# KiCad board data-center-rdimm-ddr4-tester.kicad_pcb (continued)
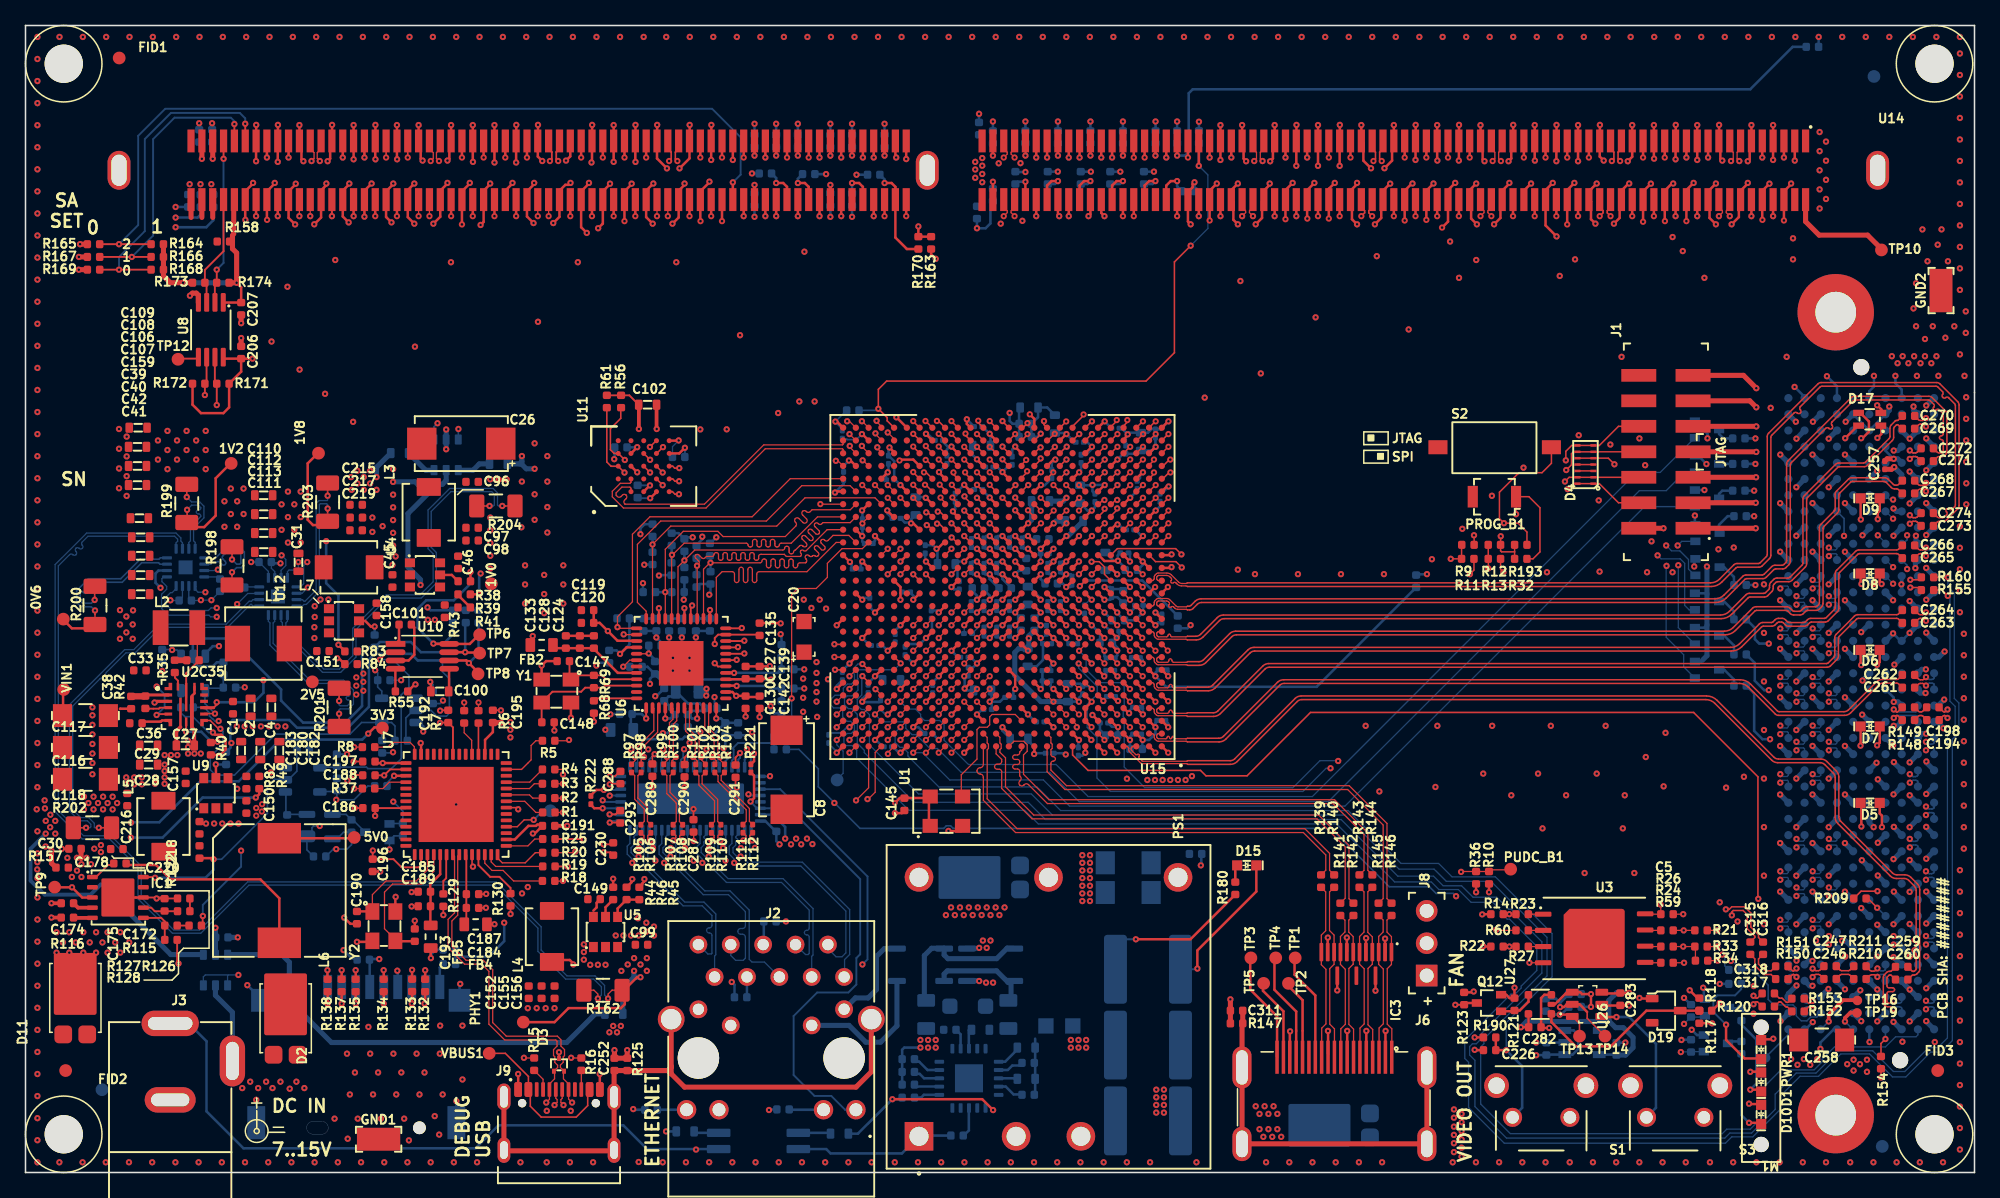
[diagram p0: board, top side]
## Library data of the parts (continued)
C112 = -: Author: Antmicro; License: Apache-2.0; MPN: 06031C103JAT2A; Manufacturer: AVX; Val: 10n; Field11: License: Apache-2.0; Field13: Author: Antmicro
C115 C137 = -: Author: Antmicro; License: Apache-2.0; MPN: GRM155R61A475MEAAD; Manufacturer: Murata; Val: 4u7; Field11: License: Apache-2.0; Field13: Author: Antmicro
C116 C228 = -: Author: Antmicro; License: Apache-2.0; MPN: C3216X5R1C476M160AB; Manufacturer: TDK; Val: 47u/16V; Field11: Author: Antmicro; Field12: License: Apache-2.0
C117 = -: Author: Antmicro; License: Apache-2.0; MPN: C3216X5R1C476M160AB; Manufacturer: TDK; Val: 47u/16V; Field11: License: Apache-2.0; Field13: Author: Antmicro
C118 = -: Author: Antmicro; License: Apache-2.0; MPN: C3216X5R1C476M160AB; Manufacturer: TDK; Val: 47u/16V; Field12: Author: Antmicro; Field13: License: Apache-2.0
C119 C123 C140 C187 C245 = -: Author: Antmicro; License: Apache-2.0; MPN: GRM155R61A475MEAAD; Manufacturer: Murata; Val: 4u7; Field11: License: Apache-2.0; Field12: Author: Antmicro
C125 = -: Author: Antmicro; License: Apache-2.0; MPN: C1005X5R1E474M050BB; Manufacturer: TDK; Val: 470n; Field12: License: Apache-2.0; Field13: Author: Antmicro
C126 = -: Author: Antmicro; License: Apache-2.0; MPN: C1005X5R1E474M050BB; Manufacturer: TDK; Val: 470n; Field11: License: Apache-2.0; Field12: Author: Antmicro
C128 C221 = -: Author: Antmicro; License: Apache-2.0; MPN: MC0402B104K160CT; Manufacturer: Multicomp; Val: 100n; Field12: License: Apache-2.0; Field13: Author: Antmicro
C129 C133 = -: Author: Antmicro; Dielectric: X7R; License: Apache-2.0; MPN: GRM155R71H103KA88D; Manufacturer: Murata; Val: 10n; Voltage: 50V; Field11: Author: Antmicro; Field12: License: Apache-2.0
C131 C142 C174 = -: Author: Antmicro; Dielectric: X7R; License: Apache-2.0; MPN: GRM155R71H103KA88D; Manufacturer: Murata; Val: 10n; Voltage: 50V; Field12: License: Apache-2.0; Field13: Author: Antmicro
C134 C136 C141 = -: Author: Antmicro; Dielectric: X7R; License: Apache-2.0; MPN: GRM155R71H103KA88D; Manufacturer: Murata; Val: 10n; Voltage: 50V; Field12: Author: Antmicro; Field13: License: Apache-2.0
C135 = -: Author: Antmicro; Dielectric: X7R; License: Apache-2.0; MPN: GRM155R71H103KA88D; Manufacturer: Murata; Val: 10n; Voltage: 50V; Field11: License: Apache-2.0; Field12: Author: Antmicro
C138 = -: Author: Antmicro; Dielectric: X7R; License: Apache-2.0; MPN: GRM155R71H103KA88D; Manufacturer: Murata; Val: 10n; Voltage: 50V; Field11: License: Apache-2.0; Field13: Author: Antmicro
C139 = -: Author: Antmicro; Dielectric: X7R; License: Apache-2.0; MPN: GRM155R71H103KA88D; Manufacturer: Murata; Val: 10n; Voltage: 50V; Field11: Author: Antmicro; Field13: License: Apache-2.0
C145 C146 C149 C160 C161 C165 C177 C192 C208 C209 C234 C236 C313 C317 = -: Author: Antmicro; Dielectric: X5R; License: Apache-2.0; MPN: GRM155R61H104KE14D; Manufacturer: Murata; Val: 100n; Voltage: 50V; Field11: License: Apache-2.0; Field13: Author: Antmicro
C147 = -: Author: Antmicro; License: Apache-2.0; MPN: CC0402JRNPO9BN220; Manufacturer: Yaego; Val: 22p; Field12: Author: Antmicro; Field13: License: Apache-2.0
C148 = -: Author: Antmicro; License: Apache-2.0; MPN: CC0402JRNPO9BN220; Manufacturer: Yaego; Val: 22p; Field11: Author: Antmicro; Field12: License: Apache-2.0
C150 = -: Author: Antmicro; License: Apache-2.0; MPN: CC0402MRX5R5BB106; Manufacturer: Yaego; Val: 10u; Field11: Author: Antmicro; Field12: License: Apache-2.0
C151 = -: Author: Antmicro; License: Apache-2.0; MPN: CC0402MRX5R5BB106; Manufacturer: Yaego; Val: 10u; Field12: Author: Antmicro; Field13: License: Apache-2.0
C152 = -: Author: Antmicro; License: Apache-2.0; MPN: 04024W226MAT2A; Manufacturer: AVX; Val: 22u; Field12: Author: Antmicro; Field13: License: Apache-2.0
C155 C215 = -: Author: Antmicro; License: Apache-2.0; MPN: 04024W226MAT2A; Manufacturer: AVX; Val: 22u; Field11: License: Apache-2.0; Field12: Author: Antmicro
C156 = -: Author: Antmicro; License: Apache-2.0; MPN: C1005X6S1A105K050BC; Manufacturer: TDK; Val: 1u; Field11: Author: Antmicro; Field13: License: Apache-2.0
C172 = -: Author: Antmicro; License: Apache-2.0; MPN: CGA2B3X7S2A472K050BB; Manufacturer: TDK; Val: 4n7; Field11: License: Apache-2.0; Field13: Author: Antmicro
C175 = -: Author: Antmicro; Dielectric: C0G; License: Apache-2.0; MPN: GRM1555C1E470JA01D; Manufacturer: Murata; Val: 47p; Field12: Author: Antmicro; Field13: License: Apache-2.0
C190 C193 = -: Author: Antmicro; License: Apache-2.0; MPN: MC0402N180J500CT; Manufacturer: Multicomp; Val: 18p; Field12: License: Apache-2.0; Field13: Author: Antmicro
C216 C218 = -: Author: Antmicro; License: Apache-2.0; MPN: 04024W226MAT2A; Manufacturer: AVX; Val: 22u; Field11: Author: Antmicro; Field13: License: Apache-2.0
C217 = -: Author: Antmicro; License: Apache-2.0; MPN: 04024W226MAT2A; Manufacturer: AVX; Val: 22u; Field11: License: Apache-2.0; Field13: Author: Antmicro
C219 = -: Author: Antmicro; License: Apache-2.0; MPN: C1005X6S1A105K050BC; Manufacturer: TDK; Val: 1u; Field12: License: Apache-2.0; Field13: Author: Antmicro
C220 = -: Author: Antmicro; License: Apache-2.0; MPN: C1005X6S1A105K050BC; Manufacturer: TDK; Val: 1u; Field11: License: Apache-2.0; Field12: Author: Antmicro
C222 = -: Author: Antmicro; Dielectric: X7R; License: Apache-2.0; MPN: CL21B104KCFNNNE; Manufacturer: SAMSUNG; Val: 100n/100V; Voltage: 100V; Field11: Author: Antmicro; Field13: License: Apache-2.0
C223 = -: Author: Antmicro; License: Apache-2.0; MPN: C5750X7S2A226M280KB; Manufacturer: TDK; Val: 22u/100V; Field12: Author: Antmicro; Field13: License: Apache-2.0
C224 C225 = -: Author: Antmicro; License: Apache-2.0; MPN: C5750X7S2A226M280KB; Manufacturer: TDK; Val: 22u/100V; Field12: License: Apache-2.0; Field13: Author: Antmicro
C226 = -: Author: Antmicro; DNP: DNP; License: Apache-2.0; MPN: C1005X6S1A105K050BC; Manufacturer: TDK; Val: 1u; Field15: Author: Antmicro; Field16: License: Apache-2.0
C227 C258 = -: Author: Antmicro; License: Apache-2.0; MPN: C3216X5R1C476M160AB; Manufacturer: TDK; Val: 47u/16V; Field11: License: Apache-2.0; Field12: Author: Antmicro
C230 = -: Author: Antmicro; DNP: DNP; License: Apache-2.0; MPN: GRM155R61A475MEAAD; Manufacturer: Murata; Val: 4u7; Field14: License: Apache-2.0; Field15: Author: Antmicro
C280 = -: Author: Antmicro; License: Apache-2.0; MPN: C0402C105M4PACTU; Manufacturer: KEMET; Val: 1u/16V; Field12: License: Apache-2.0; Field13: Author: Antmicro
C287 = -: Author: Antmicro; DNP: DNP; Dielectric: X5R; License: Apache-2.0; MPN: GRM155R61H104KE14D; Manufacturer: Murata; Val: 100n; Voltage: 50V; Field14: Author: Antmicro; Field15: License: Apache-2.0
C288 = -: Author: Antmicro; DNP: DNP; Dielectric: X5R; License: Apache-2.0; MPN: GRM155R61H104KE14D; Manufacturer: Murata; Val: 100n; Voltage: 50V; Field14: License: Apache-2.0; Field16: Author: Antmicro
C289 C290 = -: Author: Antmicro; DNP: DNP; Dielectric: X5R; License: Apache-2.0; MPN: GRM155R61H104KE14D; Manufacturer: Murata; Val: 100n; Voltage: 50V; Field15: License: Apache-2.0; Field16: Author: Antmicro
C291 = -: Author: Antmicro; DNP: DNP; Dielectric: X5R; License: Apache-2.0; MPN: GRM155R61H104KE14D; Manufacturer: Murata; Val: 100n; Voltage: 50V; Field14: Author: Antmicro; Field16: License: Apache-2.0
C292 = -: Author: Antmicro; DNP: DNP; Dielectric: X5R; License: Apache-2.0; MPN: GRM155R61H104KE14D; Manufacturer: Murata; Val: 100n; Voltage: 50V; Field15: Author: Antmicro; Field16: License: Apache-2.0
C293 = -: Author: Antmicro; DNP: DNP; Dielectric: X5R; License: Apache-2.0; MPN: GRM155R61H104KE14D; Manufacturer: Murata; Val: 100n; Voltage: 50V; Field14: License: Apache-2.0; Field15: Author: Antmicro
C312 = -: Author: Antmicro; License: Apache-2.0; MPN: MC0402B104K160CT; Manufacturer: Multicomp; Val: 100n; Field11: Author: Antmicro; Field12: License: Apache-2.0
D1 D7 = -: Author: Antmicro; License: Apache-2.0; MPN: KP-1608CGCK; Manufacturer: Kingbright; Field8: License: Apache-2.0; Field9: Author: Antmicro
D2 D18 = -: Description: PDS760 Series 60 V 7 A Surface Mount Schottky Barrier Rectifier - PowerDI-5; Author: Antmicro; License: Apache-2.0; MPN: PDS760-13; Manufacturer: Diodes Incorporated; Field9: License: Apache-2.0; Field10: Author: Antmicro
D3 = -: Description: 2-Channel ESD Solution for High-Speed (6-Gbps) Differential Interface; Author: Antmicro; License: Apache-2.0; MPN: TPD2E009DRTR; Manufacturer: Texas Instruments; Field9: License: Apache-2.0; Field10: Author: Antmicro
D4 = -: Author: Antmicro; DNP: DNP; License: Apache-2.0; Manufacturer: Texas Instruments; Field12: License: Apache-2.0; Field13: Author: Antmicro
D5 D10 = -: Author: Antmicro; License: Apache-2.0; MPN: KP-1608CGCK; Manufacturer: Kingbright; Field9: Author: Antmicro; Field10: License: Apache-2.0
D6 D9 PWR1 = -: Author: Antmicro; License: Apache-2.0; MPN: KP-1608CGCK; Manufacturer: Kingbright; Field8: License: Apache-2.0; Field10: Author: Antmicro
D8 D15 = -: Author: Antmicro; License: Apache-2.0; MPN: KP-1608CGCK; Manufacturer: Kingbright; Field8: Author: Antmicro; Field10: License: Apache-2.0
D11 = -: Description: PDS760 Series 60 V 7 A Surface Mount Schottky Barrier Rectifier - PowerDI-5; Author: Antmicro; License: Apache-2.0; MPN: PDS760-13; Manufacturer: Diodes Incorporated; Field8: License: Apache-2.0; Field10: Author: Antmicro
D12 D13 = -: Description: Bridge Rectifiers 1000V 1A MMBL DFN3538; Author: Antmicro; License: Apache-2.0; Manufacturer: Bourns; Field8: Author: Antmicro; Field10: License: Apache-2.0
D14 = -: Description: 400 W Transient Voltage Suppressor; Author: Antmicro; License: Apache-2.0; Manufacturer: Nexperia; Field8: License: Apache-2.0; Field9: Author: Antmicro
D16 = -: Description: PDS760 Series 60 V 7 A Surface Mount Schottky Barrier Rectifier - PowerDI-5; Author: Antmicro; License: Apache-2.0; MPN: PDS760-13; Manufacturer: Diodes Incorporated; Field8: Author: Antmicro; Field10: License: Apache-2.0
D17 = -: Description: Standard LEDs - SMD RGY 1616 SMD; Author: Antmicro; License: Apache-2.0; MPN: APTF1616SURKCGKSYKC; Manufacturer: Kingbright; Field8: License: Apache-2.0; Field10: Author: Antmicro
D19 = -: Description: DIODE ZENER 5.1V 350MW SOT23; Author: Antmicro; License: Apache-2.0; Manufacturer: Micro Commercial Co; Field8: Author: Antmicro; Field10: License: Apache-2.0
FB1 = -: Description: Ferrite Beads WE-TMSB Suppression 240Ohm 200mA; Author: Antmicro; License: Apache-2.0; MPN: BLM18PG121SN1D; Manufacturer: Murata; Field8: License: Apache-2.0; Field9: Author: Antmicro
FB2 = -: Description: Ferrite Beads WE-TMSB Suppression 240Ohm 200mA; Author: Antmicro; License: Apache-2.0; MPN: BLM18PG121SN1D; Manufacturer: Murata; Field9: Author: Antmicro; Field10: License: Apache-2.0
FB3 = -: Description: Ferrite Beads WE-TMSB Suppression 240Ohm 200mA; Author: Antmicro; License: Apache-2.0; MPN: BLM18PG121SN1D; Manufacturer: Murata; Field8: License: Apache-2.0; Field10: Author: Antmicro
FB4 = -: Description: Ferrite Beads WE-TMSB Suppression 240Ohm 200mA; Author: Antmicro; License: Apache-2.0; MPN: BLM18AG601SN1D; Manufacturer: Murata; Field8: Author: Antmicro; Field9: License: Apache-2.0
FB5 = -: Description: Ferrite Beads WE-TMSB Suppression 240Ohm 200mA; Author: Antmicro; License: Apache-2.0; MPN: BLM18AG601SN1D; Manufacturer: Murata; Field9: License: Apache-2.0; Field10: Author: Antmicro
FB9 = -: Author: Antmicro; License: Apache-2.0; MPN: BLM21PG221SN1D; Manufacturer: Murata; Field9: License: Apache-2.0; Field10: Author: Antmicro
FB10 = -: Author: Antmicro; License: Apache-2.0; MPN: BLM21PG221SN1D; Manufacturer: Murata; Field8: Author: Antmicro; Field10: License: Apache-2.0
FID1 = -: Description: Fiducial Marker for use with single board only; Author: Antmicro; License: Apache-2.0; Field10: Author: Antmicro; Field11: License: Apache-2.0
FID2 FID5 = -: Description: Fiducial Marker for use with single board only; Author: Antmicro; License: Apache-2.0; Field10: License: Apache-2.0; Field11: Author: Antmicro
FID3 FID4 = -: Description: Fiducial Marker for use with single board only; Author: Antmicro; License: Apache-2.0; Field9: Author: Antmicro; Field11: License: Apache-2.0
FID6 = -: Description: Fiducial Marker for use with single board only; Author: Antmicro; License: Apache-2.0; Field9: License: Apache-2.0; Field10: Author: Antmicro
GND1 = -: Description: SMD Circuit Probe Pad 1206; Author: Antmicro; License: Apache-2.0; MPN: RCW-0C; Manufacturer: TE Connectivity; Field8: License: Apache-2.0; Field9: Author: Antmicro
GND2 = -: Description: SMD Circuit Probe Pad 1206; Author: Antmicro; License: Apache-2.0; MPN: RCW-0C; Manufacturer: TE Connectivity; Field8: License: Apache-2.0; Field10: Author: Antmicro
IC1 = -: Description: 4.5-V to 60-V Input, 5-A, Step-Down DC-DC Converter; Author: Antmicro; License: Apache-2.0; Manufacturer: Texas Instruments; Field9: License: Apache-2.0; Field10: Author: Antmicro
IC2 = -: Description: Broadcom ACPL-217-500E DC Input Transistor Output Optocoupler, Surface Mount, 4-Pin SO; Author: Antmicro; License: Apache-2.0; Manufacturer: Broadcom; Field9: License: Apache-2.0; Field10: Author: Antmicro
IC3 = -: Author: Antmicro; License: Apache-2.0; Manufacturer: Texas Instruments; Field9: Author: Antmicro; Field10: License: Apache-2.0
J1 = -: Description: Pin Header, Signal, Wire-to-Board, 2 mm, 2 Rows, 14 Contacts, Surface Mount Straight; Author: Antmicro; DNP: DNP; License: Apache-2.0; MPN: 878321412; Manufacturer: Molex; Field11: License: Apache-2.0; Field12: Author: Antmicro
J2 = -: Description: RJ45 Gigabit Ethernet Jack w/ Magnetics and PoE, Single Port, 802.3at Power over Ethernet; Author: Antmicro; License: Apache-2.0; MPN: 5-2337992-8; Manufacturer: TE Connectivity; Field8: License: Apache-2.0; Field10: Author: Antmicro
J3 = -: Description: DC Power Connector, Jack, 4 A, 1.95 mm, PCB Mount, Through Hole; Author: Antmicro; License: Apache-2.0; MPN: MJ-179PH; Manufacturer: Multicomp Pro; Field8: License: Apache-2.0; Field10: Author: Antmicro
J5 = -: Description: 400-pole 10-row 1.27mm Female FMC HPC Connector with gold-plated copper alloy contacts.; Author: Antmicro; License: Apache-2.0; Manufacturer: Samtec; Field8: License: Apache-2.0; Field10: Author: Antmicro
J6 = -: Description: HDMI Receptacle Connector 19 Position Surface Mount, Right Angle; Through Hole; Author: Antmicro; License: Apache-2.0; MPN: 685119134923; Manufacturer: Würth Elektronik; Field9: Author: Antmicro; Field10: License: Apache-2.0
J7 = -: Description: SMT MICRO SD CARD CONNECTOR, PUSH-PUSH; Author: Antmicro; License: Apache-2.0; MPN: 693071020811; Manufacturer: Würth Elektronik; Field8: Author: Antmicro; Field10: License: Apache-2.0
J8 = -: Description: 3x1 goldpin header; Author: Antmicro; License: Apache-2.0; MPN: 61300311121; Manufacturer: Würth Elektronik; Field8: License: Apache-2.0; Field9: Author: Antmicro
J9 = -: Author: Antmicro; License: Apache-2.0; MPN: USB4105-GF-A; Manufacturer: GCT; Field8: Author: Antmicro; Field9: PCB-EDGE; Field11: License: Apache-2.0
L1 = -: Author: Antmicro; License: Apache-2.0; MPN: IHLP2020BZER4R7M01; Manufacturer: Vishay; Size: 5.18x5.18; Val: 4u7/2.8A; Field12: License: Apache-2.0; Field13: Author: Antmicro
L2 = -: Author: Antmicro; License: Apache-2.0; MPN: DFE322512F-R68M=P2; Manufacturer: Murata; Size: 3.2x2.5; Val: 680n/6.1A; Field12: Author: Antmicro; Field14: License: Apache-2.0
L3 = -: Author: Antmicro; License: Apache-2.0; MPN: SRP0420-1R5K; Manufacturer: Bourns; MaxCur: 6A; Size: 4.40x4.10; Val: 1u5/6A; Field11: License: Apache-2.0; Field13: Author: Antmicro
L4 = -: Author: Antmicro; License: Apache-2.0; MPN: SRP0420-1R5K; Manufacturer: Bourns; MaxCur: 6A; Size: 4.40x4.10; Val: 1u5/6A; Field11: License: Apache-2.0; Field12: Author: Antmicro
L5 = -: Author: Antmicro; License: Apache-2.0; MPN: SRP0420-1R5K; Manufacturer: Bourns; MaxCur: 6A; Size: 4.40x4.10; Val: 1u5/6A; Field12: License: Apache-2.0; Field13: Author: Antmicro
L6 = -: Author: Antmicro; License: Apache-2.0; MPN: 7447798720; Manufacturer: Würth Elektronik; Size: 10.2x10.2; Val: 7u2/7.9A; Field12: License: Apache-2.0; Field13: Author: Antmicro
L7 = -: Author: Antmicro; License: Apache-2.0; MPN: SRP0420-1R5K; Manufacturer: Bourns; MaxCur: 6A; Size: 4.40x4.10; Val: 1u5/6A; Field11: Author: Antmicro; Field13: License: Apache-2.0
M1 = -: Description: PCB Mounted 3-Way Right Angle LED Light Pipe, Tri-Level-Row Clear Dome Lens; Author: Antmicro; License: Apache-2.0; MPN: 1296.2013; Manufacturer: MENTOR; Field9: License: Apache-2.0; Field10: Author: Antmicro
MP1 MP4 = -: Author: Antmicro; License: Apache-2.0; Field8: Author: Antmicro; Field9: License: Apache-2.0
MP2 = -: Author: Antmicro; License: Apache-2.0; Field8: Author: Antmicro; Field10: License: Apache-2.0
MP3 = -: Author: Antmicro; License: Apache-2.0; Field9: License: Apache-2.0; Field10: Author: Antmicro
N2 = -: Author: Antmicro; License: Apache-2.0; Field8: License: Apache-2.0; Field9: Author: Antmicro
NT1 NT3 NT10 = -: Description: Net tie, 2 pins; Author: Antmicro; License: Apache-2.0; Field8: License: Apache-2.0; Field9: Author: Antmicro
NT2 NT6 NT11 NT16 = -: Description: Net tie, 2 pins; Author: Antmicro; License: Apache-2.0; Field9: Author: Antmicro; Field10: License: Apache-2.0
NT4 NT5 NT7-NT9 NT12 = -: Description: Net tie, 2 pins; Author: Antmicro; License: Apache-2.0; Field8: Author: Antmicro; Field10: License: Apache-2.0
NT13 = -: Description: Net tie, 2 pins; Author: Antmicro; License: Apache-2.0; Field8: Author: Antmicro; Field9: License: Apache-2.0
NT14 = -: Description: Net tie, 2 pins; Author: Antmicro; License: Apache-2.0; Field9: License: Apache-2.0; Field10: Author: Antmicro
NT15 = -: Description: Net tie, 2 pins; Author: Antmicro; License: Apache-2.0; Field8: License: Apache-2.0; Field10: Author: Antmicro
PHY1 TP1 TP7 = -: Description: Test Point 1mm; Author: Antmicro; License: Apache-2.0; Field8: Author: Antmicro; Field10: License: Apache-2.0
PROG_B1 = -: Description: Tactile Switch, B3U, Top Actuated, Surface Mount, Round Button, 153 gf, 50mA at 12VDC; Author: Antmicro; License: Apache-2.0; MPN: B3U-1000P; Manufacturer: Omron; Field8: Author: Antmicro; Field10: License: Apache-2.0
PS1 = -: Description: DC-DC CONVERTER, 48VDC input, 12VDC nom isolated output w/ trim option, 30W, 270kHz PWM mode; Author: Antmicro; License: Apache-2.0; Manufacturer: CUI Inc; Field8: License: Apache-2.0; Field10: Author: Antmicro
Q1 Q8 = -: Description: 60 V, 320 mA N-channel enhancement mode Trench MOSFET, SC-70-3 aka SOT-323 package; Author: Antmicro; License: Apache-2.0; Manufacturer: Nexperia; Field9: License: Apache-2.0; Field10: Author: Antmicro
Q2 Q5 Q11 = -: Description: 60 V, 320 mA N-channel enhancement mode Trench MOSFET, SC-70-3 aka SOT-323 package; Author: Antmicro; License: Apache-2.0; Manufacturer: Nexperia; Field8: Author: Antmicro; Field9: License: Apache-2.0
Q3 Q9 Q12 = -: Description: 60 V, 320 mA N-channel enhancement mode Trench MOSFET, SC-70-3 aka SOT-323 package; Author: Antmicro; License: Apache-2.0; Manufacturer: Nexperia; Field8: License: Apache-2.0; Field9: Author: Antmicro
Q4 Q7 = -: Description: 60 V, 320 mA N-channel enhancement mode Trench MOSFET, SC-70-3 aka SOT-323 package; Author: Antmicro; License: Apache-2.0; Manufacturer: Nexperia; Field9: Author: Antmicro; Field10: License: Apache-2.0
Q6 Q10 = -: Description: 60 V, 320 mA N-channel enhancement mode Trench MOSFET, SC-70-3 aka SOT-323 package; Author: Antmicro; License: Apache-2.0; Manufacturer: Nexperia; Field8: License: Apache-2.0; Field10: Author: Antmicro
R1 R6 R18 = -: Description: 22R resistor in 0402 package with 1% tolerance; Author: Antmicro; License: Apache-2.0; MPN: CR0402-FX-22R0GLF; Manufacturer: Bourns; Tolerance: 1%; Val: 22R; Field11: License: Apache-2.0; Field12: Author: Antmicro
R2 R5 R7 R8 = -: Description: 22R resistor in 0402 package with 1% tolerance; Author: Antmicro; License: Apache-2.0; MPN: CR0402-FX-22R0GLF; Manufacturer: Bourns; Tolerance: 1%; Val: 22R; Field10: License: Apache-2.0; Field11: Author: Antmicro
R3 R25 = -: Description: 22R resistor in 0402 package with 1% tolerance; Author: Antmicro; License: Apache-2.0; MPN: CR0402-FX-22R0GLF; Manufacturer: Bourns; Tolerance: 1%; Val: 22R; Field11: Author: Antmicro; Field12: License: Apache-2.0
R4 R20 = -: Description: 22R resistor in 0402 package with 1% tolerance; Author: Antmicro; License: Apache-2.0; MPN: CR0402-FX-22R0GLF; Manufacturer: Bourns; Tolerance: 1%; Val: 22R; Field10: Author: Antmicro; Field12: License: Apache-2.0
R9 R26 R60 R139 R144 R145 R178 = -: Description: 0R resistor in 0402 package with unspecified tolerance; Author: Antmicro; Current: 1A; License: Apache-2.0; MPN: ERJ2GE0R00X; Manufacturer: Panasonic; Val: 0R; Field12: License: Apache-2.0; Field13: Author: Antmicro
R10 = -: Description: 100R resistor in 0402 package with 1% tolerance; Author: Antmicro; License: Apache-2.0; MPN: CR0402-FX-1000GLF; Manufacturer: Bourns; Tolerance: 1%; Val: 100R; Field10: Author: Antmicro; Field11: License: Apache-2.0
R11 R166 R196 = -: Description: 0R resistor in 0402 package with unspecified tolerance; Author: Antmicro; Current: 1A; DNP: DNP; License: Apache-2.0; MPN: ERJ2GE0R00X; Manufacturer: Panasonic; Val: 0R; Field14: Author: Antmicro; Field16: License: Apache-2.0
R12 R164 R206 = -: Description: 0R resistor in 0402 package with unspecified tolerance; Author: Antmicro; Current: 1A; DNP: DNP; License: Apache-2.0; MPN: ERJ2GE0R00X; Manufacturer: Panasonic; Val: 0R; Field14: License: Apache-2.0; Field16: Author: Antmicro
R13 R38 R42 R55 R58 R142 R161 = -: Description: 0R resistor in 0402 package with unspecified tolerance; Author: Antmicro; Current: 1A; License: Apache-2.0; MPN: ERJ2GE0R00X; Manufacturer: Panasonic; Val: 0R; Field11: License: Apache-2.0; Field13: Author: Antmicro
R14 R93 = -: Description: 2k2 resistor in 0402 package with 1% tolerance; Author: Antmicro; License: Apache-2.0; MPN: CR0402-FX-2201GLF; Manufacturer: Bourns; Tolerance: 1%; Val: 2k2; Field11: License: Apache-2.0; Field12: Author: Antmicro
R15 = -: Description: 5k11 resistor in 0402 package with 1% tolerance; Author: Antmicro; License: Apache-2.0; MPN: CR0402-FX-5111GLF; Manufacturer: Bourns; Tolerance: 1%; Val: 5k11; Field11: License: Apache-2.0; Field12: Author: Antmicro
R16 = -: Description: 5k11 resistor in 0402 package with 1% tolerance; Author: Antmicro; License: Apache-2.0; MPN: CR0402-FX-5111GLF; Manufacturer: Bourns; Tolerance: 1%; Val: 5k11; Field10: Author: Antmicro; Field11: License: Apache-2.0
R17 = -: Description: 330R resistor in 0603 package with 1% tolerance; Author: Antmicro; License: Apache-2.0; MPN: ERJ-UP3F3300V; Manufacturer: Panasonic; Tolerance: 1%; Val: 330R; Field11: License: Apache-2.0; Field12: Author: Antmicro
R19 = -: Description: 22R resistor in 0402 package with 1% tolerance; Author: Antmicro; License: Apache-2.0; MPN: CR0402-FX-22R0GLF; Manufacturer: Bourns; Tolerance: 1%; Val: 22R; Field10: Author: Antmicro; Field11: License: Apache-2.0
R21 R172 = -: Description: 4k7 resistor in 0402 package with 1% tolerance; Author: Antmicro; License: Apache-2.0; MPN: CR0402-FX-4701GLF; Manufacturer: Bourns; Tolerance: 1%; Val: 4k7; Field11: Author: Antmicro; Field12: License: Apache-2.0
R22 R160 = -: Description: 4k7 resistor in 0402 package with 1% tolerance; Author: Antmicro; License: Apache-2.0; MPN: CR0402-FX-4701GLF; Manufacturer: Bourns; Tolerance: 1%; Val: 4k7; Field10: License: Apache-2.0; Field12: Author: Antmicro
R23 R48 R140 R143 R146 R158 R167 = -: Description: 0R resistor in 0402 package with unspecified tolerance; Author: Antmicro; Current: 1A; License: Apache-2.0; MPN: ERJ2GE0R00X; Manufacturer: Panasonic; Val: 0R; Field11: Author: Antmicro; Field13: License: Apache-2.0
R24 R44 R165 R169 = -: Description: 0R resistor in 0402 package with unspecified tolerance; Author: Antmicro; Current: 1A; License: Apache-2.0; MPN: ERJ2GE0R00X; Manufacturer: Panasonic; Val: 0R; Field11: License: Apache-2.0; Field12: Author: Antmicro
R27 R47 R205 = -: Description: 0R resistor in 0402 package with unspecified tolerance; Author: Antmicro; Current: 1A; License: Apache-2.0; MPN: ERJ2GE0R00X; Manufacturer: Panasonic; Val: 0R; Field12: Author: Antmicro; Field13: License: Apache-2.0
R28 R32 R155 R173 = -: Description: 4k7 resistor in 0402 package with 1% tolerance; Author: Antmicro; License: Apache-2.0; MPN: CR0402-FX-4701GLF; Manufacturer: Bourns; Tolerance: 1%; Val: 4k7; Field11: License: Apache-2.0; Field12: Author: Antmicro
R29 = -: Description: 330R resistor in 0603 package with 1% tolerance; Author: Antmicro; License: Apache-2.0; MPN: ERJ-UP3F3300V; Manufacturer: Panasonic; Tolerance: 1%; Val: 330R; Field11: Author: Antmicro; Field12: License: Apache-2.0
R30 R52 R119 = -: Description: 330R resistor in 0402 package with 1% tolerance; Author: Antmicro; License: Apache-2.0; MPN: CR0402-FX-3300GLF; Manufacturer: Bourns; Tolerance: 1%; Val: 330R; Field10: License: Apache-2.0; Field11: Author: Antmicro